# KiCad board KiBoxLite_H.kicad_pcb (continued)
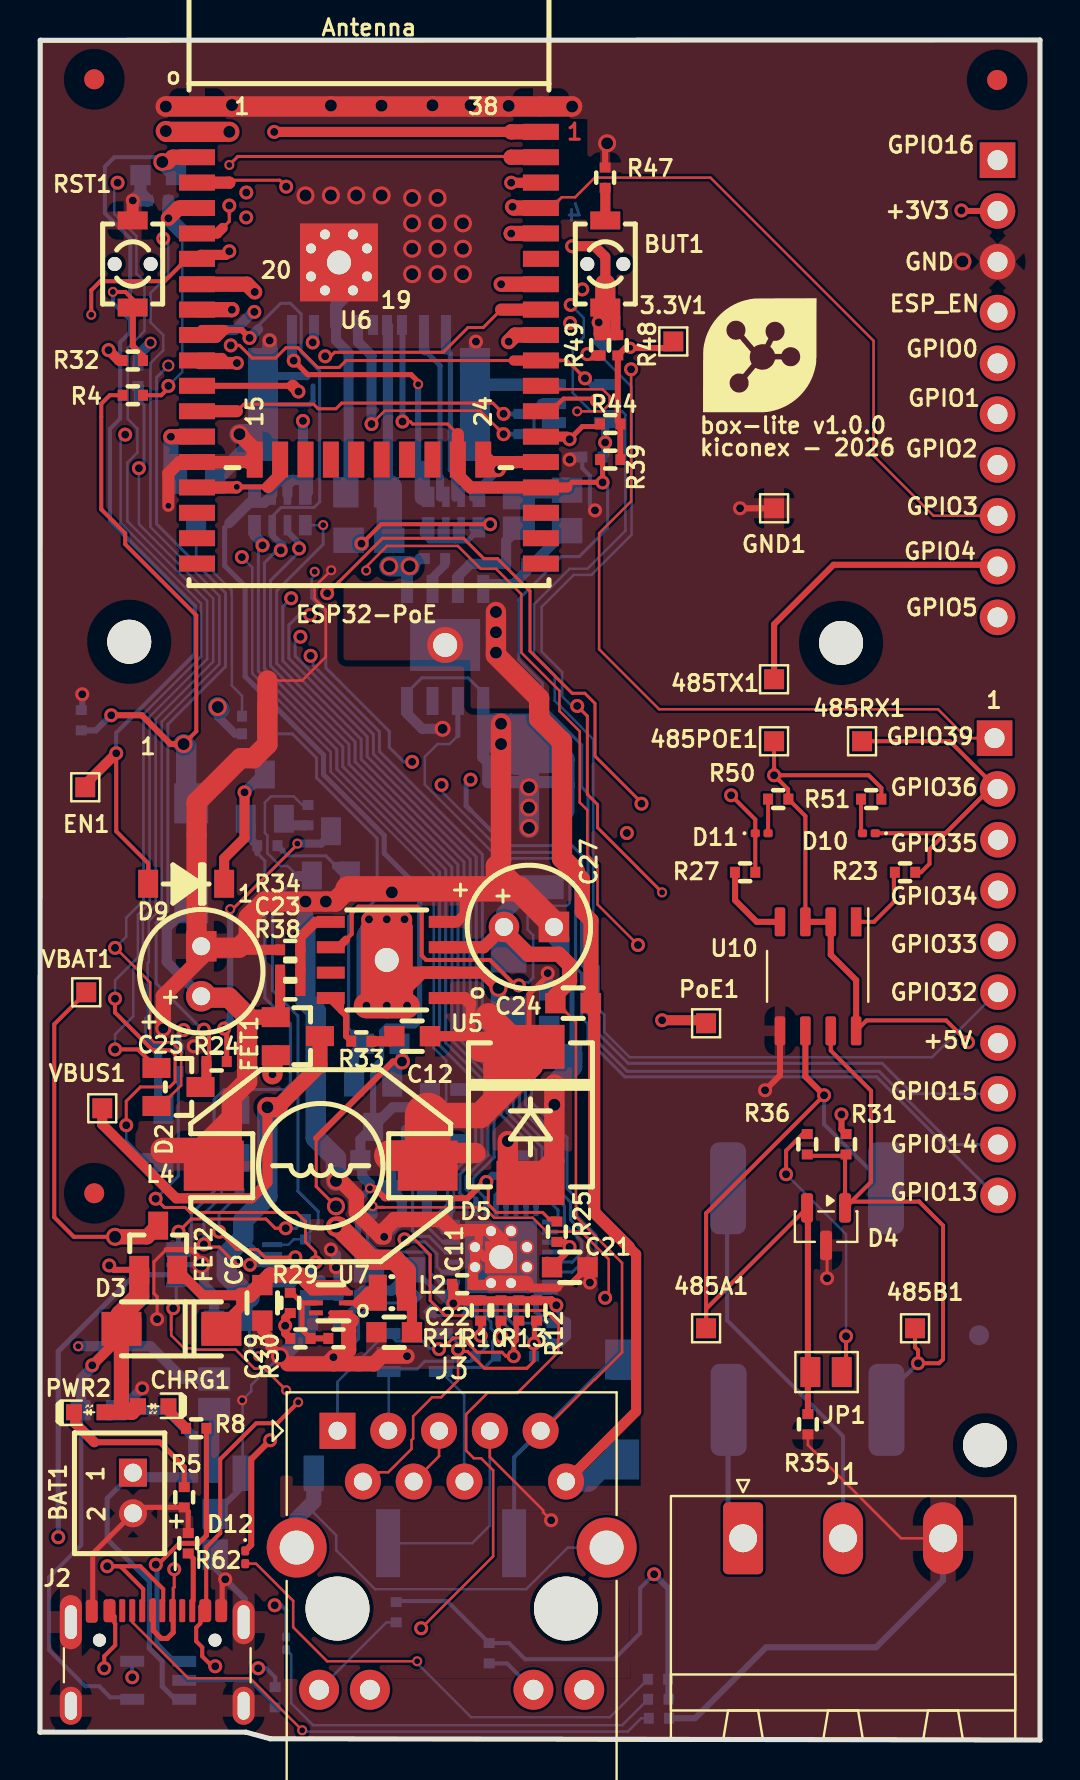
[diagram p0: board, top side]
## Footprints (pads in the part's own frame, mm; a bottom-side part is the same pattern mirrored in y, then rotated) (continued)
  round 0.7 hole 0.5: 33(-1.3,-0.5) 33(-1.3,0.5) 33(-0.5,-1.3) 33(-0.5,1.3) 33(0.5,-1.3) 33(0.5,1.3) 33(1.3,-0.5) 33(1.3,0.5)
  rect 1.6x1.6 hole 1.2: 33(0,0)
  rect 3.6x3.6 smd: 33(0,0)
R_0402_5MIL_DWS
  rect 0.5x0.55 smd: 1(-0.508,0) 2(0.508,0)
R_0603_5MIL_DWS
  rect 1.016x1.016 smd: 1(-0.889,0) 2(0.889,0)
R_0805_5MIL_DWS
  rect 1.27x1.524 smd: 1(-1.016,0) 2(1.016,0)
R_1206_5MIL_DWS
  rect 1.524x1.778 smd: 1(-1.397,0) 2(1.397,0)
R_2512_MM_DWS
  rect 1.454x3.654 smd: (-3.15,0) (3.15,0)
  rect 1.2x3.4 smd: 1(-3.15,0) 2(3.15,0)
R_MATRIX_4
  rect 0.635x1.016 smd: 1.1(-1.27,-0.762) 1.2(-1.27,0.762) 4.1(1.27,-0.762) 4.2(1.27,0.762)
  rect 0.381x1.016 smd: 2.1(-0.381,-0.762) 2.2(-0.381,0.762) 3.1(0.381,-0.762) 3.2(0.381,0.762)
RJ45_Abracon_ARJP11A-MA_Horizontal
  round 3.2 hole 3.2 unplated: (0,-8.89) (11.43,-8.89)
  rect 1.8x1.8 hole 0.9: 1(0,0)
  round 1.8 hole 0.9: 2(1.27,-2.54) 3(2.54,0) 4(3.81,-2.54) 5(5.08,0) 6(6.35,-2.54) 7(7.62,0) 9(10.16,0) 10(11.43,-2.54)
  round 2 hole 1: 11(-0.92,-12.95) 12(1.62,-12.95) 13(9.8,-12.95) 14(12.34,-12.95)
  round 3 hole 1.7: SH(-2.04,-5.84) SH(13.46,-5.84)
SJ
  rect 1.168x1.6 smd: 1(-0.762,0) 2(0.762,0)
SMA-KA
  rect 2x1.7 smd: 1(-2.5,0) 2(2.5,0)
  rect 1.746x1.192 smd: 1(-2.373,0) 2(2.373,0)
SOD-123_1C-2A_KA
  rect 1x1.4 smd: 1(-1.9,0) 2(1.9,0)
SolderJumper_IND_Data
  rect 1x1.5 smd: 1(-0.77,0) 2(0.8,0)
SOT23
  rect 1.4x1 smd: 1(1.107,-0.95) 2(1.107,0.953) 3(-1.102,-0.003)
SOT23-3
  rect 1.4x1 smd: 1(1.1,-0.95) 2(1.1,0.95) 3(-1.1,0)
SOT-23
  rrect 1.475x0.6 smd: 1(-0.938,0.95) 2(-0.938,-0.95) 3(0.938,0)
SOT-23-5
  rect 1.2x0.55 smd: 1(1.3,-0.95) 2(1.3,0) 3(1.3,0.95) 4(-1.3,0.95) 5(-1.3,-0.95)
SOT-563-6
  rect 0.75x0.23 smd: (-0.775,0.5) (-0.775,0) (-0.775,-0.5) (0.775,0.5) (0.775,0) (0.775,-0.5)
  rect 0.7x0.25 smd: 1(0.75,-0.5) 2(0.75,0) 3(0.75,0.5) 4(-0.75,0.5) 5(-0.75,0) 6(-0.75,-0.5)
TestPoint_Pad_1.0x1.0mm
  rect 1x1 smd: 1(0,0)
TS250
  rrect 1.8x4.6 smd: 1(-3.95,0) 2(3.95,0)
USB_C_Receptacle_GCT_USB4105-xx-A_16P_TopMnt_Horizontal
  round 0.65 hole 0.65 unplated: (-2.89,2.205) (2.89,2.205)
  rrect 0.6x1.15 smd: A1_B12(-3.274,3.651) A4_B9(-2.387,3.674) B1_A12(3.2,3.68) B4_A9(2.4,3.68)
  rrect 0.3x1.15 smd: A5(-1.25,3.68) A6(-0.25,3.68) A7(0.25,3.68) A8(1.25,3.68) B5(1.75,3.68) B6(0.75,3.68) B7(-0.75,3.68) B8(-1.75,3.68)
  oval 1.1x2.7 hole 0.6x1.7: SH1(-4.32,3.105)
  oval 1.1x1.9 hole 0.6x1.4: SH2(-4.32,-1.075) SH3(4.32,-1.075)
  oval 1.1x2.2 hole 0.6x1.7: SH4(4.32,3.105)
uSD(TFC-9P-1.xH(ATFFS150A01BR016))
  rect 1.76x1.46 smd: (-5.3,-1.55) (-5.3,2.9) (5.3,-1.55) (5.3,2.9)
  rect 0.5x1 smd: 1(3.85,-3.3) 2(2.75,-3.3) 3(1.65,-3.3) 4(0.9,-3.3) 5(-0.55,-3.3) 6(-1.65,-3.3) 7(-2.75,-3.3) 8(-3.85,-3.3) CD1(0.2,-3.3)
  rect 1.5x1.2 smd: CH1(-5.3,-1.55) CH1(-5.3,2.9) CH1(5.3,-1.55) CH1(5.3,2.9)
  rect 1.5x4.5 smd: CH1(-5.3,0.5) CH1(5.3,0.5)

## Nets
+3.3V: 3.3V1.1 C10.1 C22.1 C29.2 EXT1.2 FET3.2 L2.2 L5.1 R2.1 R16.2 R29.2 R32.1 R37.1 R39.1 R44.2 R48.1 R56.1 R57.1 R58.2 RM3.1.2 RM3.2.2 RM3.3.2 RM3.4.2 U6.2
+3.3VLAN: C9.1 C14.1 C28.2 FET3.3 L1.1 R25.2 RM1.3.1 RM2.1.1 RM2.2.1 RM2.3.1 RM2.4.1 U4.12 U8.5
+5V: 485POE1.1 C1.1 CHRG1.2 D1.1 D3.2 EXT2.7 FET1.2 FET2.1 PWR2.2 R1.1 R4.1 R31.1 R50.2 R51.2 U3.4 U10.2 U10.3 U10.8
+5VP: C23.1 C25.1 D1.2 FET1.1 L4.2 R38.1
/VBAT: BAT1.1 FET2.3 R17.1 U3.3 VBAT1.1
GND: BAT1.2 C1.2 C2.2 C3.2 C6.2 C7.2 C8.2 C9.2 C11.2 C13.2 C14.2 C15.2 C16.2 C17.2 C18.2 C19.2 C20.2 C21.1 C22.2 C25.2 C26.2 C27.2 C28.1 D4.3 D5.2 EXT1.3 GND1.1 J1.3 J2.A1_B12 J2.B1_A12 J2.SH1 J2.SH2 J2.SH3 J2.SH4 J3.7 L7.1 L7.2 MICRO_SD1.6 MICRO_SD1.CH1 R1.2 R5.2 R6.2 R7.2 R9.2 R22.2 R26.2 R30.2 R34.2 R35.2 R41.1 R42.2 R47.2 R62.2 R63.1 RM1.1.1 RM1.2.1 RST1.2 T1.2 TVS1.2 U1.3 U3.2 U4.24 U4.25 U4.33 U5.4 U6.1 U6.15 U6.38 U6.39 U7.1 U8.3 U9.5 U9.8 U10.5
VBUS: C7.1 FET1.3 J2.A4_B9 J2.B4_A9 R18.1 U1.7 VBUS1.1
/485_A: 485A1.1 D4.2 F2.1 JP1.1 R35.1 U10.6
/485_B: 485B1.1 D4.1 F1.1 R31.2 R36.1 U10.7
/485_RX: 485RX1.1 D10.1 EXT2.2 R23.1 U6.4
/485_TX: 485TX1.1 D11.1 EXT1.9 R27.1 U6.26
/D+: J2.A6 J2.B6 U1.1
/D-: J2.A7 J2.B7 U1.2
/D_Com: D2.3 R24.2 R49.2
/ESP_EN: C20.1 D9.2 EN1.1 EXT1.4 R32.2 RST1.1 U6.3
/GPI34\BUT1: BUT1.1 EXT2.4 R48.2 R49.1 U6.6
/GPI35: BAT_SENS_E1.1 EXT2.3 U6.7
/GPI39: EXT2.1 R4.2 R9.1 U6.5
/GPIO0: D2.2 EXT1.5 R44.1 U6.25 U8.2
/GPIO1\U0TXD: D7.1 EXT1.6 U6.35
/GPIO2\HS2_DATA0: D2.1 EXT1.7 R46.1 RM3.4.1 U6.24
/GPIO3\U0RXD: D6.2 EXT1.8 R16.1 R19.2 U6.34
/GPIO5\SPI_CS: EXT1.10 U6.29
/GPIO12\PHY_PWR: T1.1 U6.14
/GPIO13\I2C-SDA: EXT2.10 U6.16
/GPIO14\HS2_CLK: EXT2.9 R40.1 U6.13
/GPIO15\HS2_CMD: EXT2.8 MICRO_SD1.3 R39.2 U6.23
/GPIO16\I2C-SCL: EXT1.1 R45.2 U6.27
/GPIO17\EMAC_CLK_OUT_180: U4.5 U6.28 U8.4
/GPIO18\MDIO(RMII): RM2.4.2 U4.16 U6.30
/GPIO19\EMAC_TXD0(RMII): U4.22 U6.31
/GPIO21\EMAC_TX_EN(RMII): U4.21 U6.33
/GPIO22\EMAC_TXD1(RMII): U4.23 U6.36
/GPIO23\MDC(RMII): U4.17 U6.37
/GPIO25\EMAC_RXD0(RMII): RM2.2.2 U4.11 U6.10
/GPIO26\EMAC_RXD1(RMII): RM2.1.2 U4.10 U6.11
/GPIO27\EMAC_RX_CRS_DV: RM2.3.2 U4.15 U6.12
/GPIO32: EXT2.6 U6.8
/GPIO33: EXT2.5 R45.1 U6.9
/Led1: J3.12 U4.3
/Led2: J3.14 U4.2
/PoE_OUT: C12.1 D5.1 L4.1 PoE1.1 R43.2 U5.1
/RD+: J3.3 R11.2 TVS1.1 TVS3.1 U4.31
/RD-: J3.6 R10.2 TVS1.5 TVS3.2 U4.30
/TD+: J3.1 R13.2 TVS1.3 TVS2.2 U4.29
/TD-: J3.2 R12.2 TVS1.4 TVS2.1 U4.28
Spare1: C24.1 C27.1 D8.1 J3.9 R7.1 R28.2 R42.1 R52.1 U5.3 U9.1
Spare2: C24.2 D8.2 J3.10 R53.2 R54.1 U9.4 U9.9
Net-(BAT_SENS_E1-Pad2): BAT_SENS_E1.2 C19.1 R17.2 R22.1
Net-(BUT1-Pad2): BUT1.2 R47.1
Net-(C2-Pad1): C2.1 J3.SH
Net-(C10-Pad2): C10.2 FET3.1 R2.2 R3.1
Net-(C12-Pad2): C12.2 R33.2
Net-(C26-Pad1): C26.1 R43.1
Net-(CHRG1-K): CHRG1.1 R8.1
Net-(Class4_EN1-Pad1): Class4_EN1.1 R54.2
Net-(D3-K): C6.1 D3.1 FET2.2 U7.3 U7.4
Net-(D9-K): D9.1 Q2.3
Net-(D10-A): D10.2 R51.1
Net-(D11-A): D11.2 R50.1
Net-(D12-A): D12.2 R56.2
Net-(D12-K): D6.1 D12.1 U1.8
Net-(D13-A): D13.2 R37.2
Net-(D13-K): D7.2 D13.1 R18.2 U1.9
Net-(J1-Pin_1): F1.2 J1.1
Net-(J1-Pin_2): F2.2 J1.2
Net-(J2-CC1): J2.A5 R63.2
Net-(J2-CC2): J2.B5 R62.1
Net-(J3-Pad11): J3.11 R58.1
Net-(J3-Pad13): J3.13 R57.2
Net-(J3-RCT): C11.1 C13.1 C15.1 C16.1 J3.4 J3.5 L1.2 R10.1 R11.1 R12.1 R13.1 U4.1 U4.27
Net-(JP1-B): JP1.2 R36.2
Net-(MICRO_SD1-CD/DAT3/CS): MICRO_SD1.2 RM3.2.1
Net-(MICRO_SD1-CLK/SCLK): MICRO_SD1.5 R40.2
Net-(MICRO_SD1-DAT0/DO): MICRO_SD1.7 R46.2
Net-(MICRO_SD1-DAT1/RES): MICRO_SD1.8 RM3.1.1
Net-(MICRO_SD1-DAT2/RES): MICRO_SD1.1 RM3.3.1
Net-(MICRO_SD1-VDD): C3.1 L5.2 MICRO_SD1.4
Net-(PWR2-K): PWR2.1 R5.1
Net-(Q2-B): Q2.1 R20.2
Net-(Q2-E): Q2.2 R21.1 U1.4
Net-(Q3-B): Q3.1 R21.2
Net-(Q3-C): Q3.3 R24.1
Net-(Q3-E): Q3.2 R20.1 R55.1 U1.6
Net-(R28-Pad1): R28.1 U5.2 U5.9
Net-(T1-C): R3.2 T1.3
Net-(U1-CTS#): R55.2 U1.5
Net-(U1-V3): C8.1 R19.1 U1.10
Net-(U3-CHRGb): R8.2 U3.1
Net-(U3-PROG): R6.1 U3.5
Net-(U4-NRST): C21.2 R25.1 U4.19
Net-(U4-RBIAS): R26.1 U4.32
Net-(U4-RXCLK/PHYAD1): RM1.1.2 U4.7
Net-(U4-RXD2/RMIISEL): RM1.3.2 U4.9
Net-(U4-RXD3/PHYAD2): RM1.2.2 U4.8
Net-(U4-RXER/RXD4/PHYAD0): R41.2 U4.13
Net-(U4-VDDCR): C17.1 C18.1 U4.6
Net-(U5-BS): R33.1 U5.8
Net-(U5-EN): U5.6 U9.6
Net-(U5-FB): C23.2 R34.1 R38.2 U5.5
Net-(U7-FB): C29.1 R29.1 R30.1 U7.5
Net-(U7-SW): L2.1 U7.2
Net-(U9-CLS): Class4_EN1.2 R53.1 U9.3
Net-(U9-DEN): R52.2 U9.2
Net-(U10-DI): R27.2 U10.4
Net-(U10-RO): R23.2 U10.1

Pads without a net: FID1 Fid1; FID2 Fid1; FID3 Fid1; FID4 Fid1; FID5 Fid1; FID6 Fid1; J2 A8 B8; MICRO_SD1 CD1; RM1 4.1 4.2; U4 4 14 18 20 26; U5 7; U6 17 18 19 20 21 22 32; U7 6; U8 1; U9 7

## Via types
v1: diameter 0.7, hole 0.4, Top to Bottom, 150 vias
v2: diameter 0.6, hole 0.4, Top to Bottom, 2 vias
v3: diameter 0.9, hole 0.6, Top to Bottom, 55 vias
v4: diameter 0.8, hole 0.5, Top to Bottom, 3 vias
v5: diameter 0.61, hole 0.3, Top to Bottom, 1 via
v6: diameter 0.5, hole 0.3, Top to Bottom, 23 vias

## Routing (per net, layer and track width the routed paths; a pad name or vN(x,y) marks a point on that pad's centre or on a via; arc(x,y) is an arc through that point)
+3.3V: length 213.6
  Top w0.152: v3(14.8,26.68) 13.81,27.67 13.81,30.09
  Top w0.203: v1(16.08,59.82) 16.09,59.82 17.06,60.79 v1(22.51,60.79)
  Top w0.305: v5(29.52,69.61) 29.54,69.61 ; v5(29.52,69.61) 29.54,69.6 31.62,69.6 31.67,69.65 3.3V1.1 31.83,69.77 31.83,69.66 31.84,69.65 ; v5(29.52,69.61) 29.28,69.61 R48.1 28.9,65.93 R44.2 R39.1 ; v4(18.1,33.92) 17.65,33.92 13.81,30.09 ; EXT1.2 46.11,76.45 v1(46.08,76.48)
  Top w0.406: R29.2 12.26,21.09 v1(12.26,20.71) 12.26,20.33 C29.2
  Top w0.508: L2.2 18.6,22.06 18.6,20.46 ; R32.1 3.95,68.97 v1(3.43,69.49)
  Top w1.016: v3(14.8,25.67) 14.93,25.67 16.58,24.02 17.72,24.02 18.3,23.44 L2.2 ; v3(6.29,80.45) 6.33,80.41 v3(9.47,80.41)
  In1.Cu w0.127: v1(7.18,35.5) 7.79,36.11 8.96,36.11 10.5,37.65 10.5,43.46 8.89,45.07 v3(8.89,51.65) ; 7.78,36.09 15.93,36.09 v4(18.1,33.92)
  In1.Cu w0.152: v1(12.26,20.71) 12.19,20.78 12.19,24.38 13.48,25.67
  In1.Cu w0.203: v3(9.47,80.41) 10.11,81.05 21.2,81.05 28.24,74.01 28.24,73.46 29.51,72.19 29.51,69.64 29.54,69.61 ; v3(6.29,80.45) 4.7,80.45 2.61,78.36 2.61,73.29 3.14,72.76 3.14,69.78 v1(3.43,69.49) 3.31,69.38 3.31,63.56 4.61,62.26 7.89,62.26 8.74,61.41 10.66,61.41 11.51,62.26 21.04,62.26 v1(22.51,60.79) ; v3(14.8,25.67) 15.26,26.12 23.84,26.12 26.54,23.43 27.73,23.43 30.71,20.45 v1(30.71,8.29)
  In1.Cu w0.508: 13.48,25.67 v3(14.8,25.67)
  In2.Cu w0.305: v3(14.8,25.67) v3(14.8,26.68) ; 47.82,76.52 EXT1.2
  Bottom w0.203: v1(30.71,8.29) 30.01,7.59 30.01,5.34 28.71,4.04 24.26,4.04 23.46,4.84 R57.1 20.36,6.94 17.86,6.94 R58.2
  Bottom w0.254: 20.01,59.96 19.48,59.96 19.12,60.31 19.12,60.59 ; 20.01,59.96 20.01,60.59 ; 20.01,59.96 20.77,59.96 ; 20.77,59.96 21.38,59.96 21.66,60.24 21.66,60.59 ; 20.77,59.96 20.77,60.59
  Bottom w0.305: v1(30.71,8.29) 31.43,7.57 31.43,2.32 31.56,2.19 31.56,2.04 ; v1(7.18,35.5) 6.93,35.24 R16.2
  Bottom w0.406: v1(22.51,60.79) 21.86,60.79 21.66,60.59 ; R2.1 9.77,50.3 8.89,51.18 v3(8.89,51.65)
  Bottom w0.508: FET3.2 17.62,33.43 v4(18.1,33.92) ; 14.93,60.34 15.09,60.34 L5.1
  Bottom w0.61: v4(18.1,33.92) 18.1,34.68 C10.1
  Bottom w0.762: 15.62,59.99 L5.1 15.63,59.79 16.05,59.79 v1(16.08,59.82) 16.07,59.82 15.79,59.82 15.62,59.99
  Bottom w1.016: v3(8.89,51.65) 8.98,51.56
+3.3VLAN: length 90.3
  Top w0.152: v1(22.32,27.9) 22.42,27.8 22.42,26.78 22.83,26.38 25.14,26.38 25.47,26.05
  Top w0.254: R25.2 25.72,26.05 25.47,26.05
  Top w0.305: 22.19,27.9 21.38,27.09 17.25,27.09 16.75,27.59 v6(16.5,27.59)
  Top w0.406: v1(22.32,27.9) 22.19,27.9
  In1.Cu w0.127: v1(13.15,65.95) 13.18,65.99 14.86,65.99 15.95,67.07 23.69,67.07 25.01,65.75 27.3,65.75 28.17,64.87 v1(28.26,64.87)
  Bottom w0.152: 16.5,27.57 v6(16.5,27.59)
  Bottom w0.254: U4.12 22.81,27.22 23.31,27.72 C14.1 ; 16.66,33.62 17.09,34.05 17.09,35.45 17.34,35.7 18.74,35.7 18.99,35.95 18.99,42.56 17.22,44.34 17.22,45.23 14.18,48.27 14.18,49.25 10.26,53.17 10.26,57.69 9.24,58.71 9.24,60.62 9.47,60.85
  Bottom w0.305: 16.5,27.57 15.91,26.99 15.91,24.17 16.58,23.51 ; 16.66,33.62 FET3.3
  Bottom w0.406: v1(22.32,27.9) 22.63,28.21 C14.1 ; C28.2 28.26,64.27 v1(28.26,64.87) 28.26,65.83 U8.5 ; 12.14,62.88 12.01,63
  Bottom w0.508: 12.64,63 12.01,63 11.62,62.61 RM2.2.1 11.21,61.86 10.48,61.86 9.47,60.85 ; 12.64,63 13.41,63 ; 12.64,63 12.38,62.74 RM2.3.1 ; v1(13.15,65.95) 13.15,63.26 13.41,63 ; RM1.3.1 17.64,31.64 FET3.3 ; FET3.3 16.66,31.08 ; FET3.3 16.02,30.02 C9.1 16.11,28.9 16.11,28.19 16.5,27.8 v6(16.5,27.59) ; RM2.4.1 13.41,62.4 13.41,63
+5V: length 96.4
  Top w0.203: R4.1 3.49,67.24 3.06,66.81 3.06,61.54 4.26,60.34 4.26,59.79 7.82,56.23 7.82,50.43 v3(7.18,49.8) ; v1(36.71,48.24) 37.41,47.54 37.41,47.06 38.28,46.2 U10.3 ; v1(36.71,48.24) 485POE1.1 ; v1(36.71,48.24) 41.44,48.24 42.08,47.6 R51.2 ; v1(46.41,34.89) 45.32,35.98 41.34,35.98 U10.8
  Top w0.305: 4.96,23.51 3.68,23.51 v1(3.46,23.73) ; U10.3 U10.2 39.55,39.26 40.82,37.99 U10.8 ; v3(7.18,49.8) 6.53,49.8 5.09,51.24 v1(3.56,51.24) ; v1(40.08,31.28) 40.08,30.52 R31.1
  Top w0.508: v1(2.61,18.74) 4.2,20.32 D3.2
  Top w0.762: PWR2.2 4.11,16.39 ; 4.11,16.39 4.6,16.39 CHRG1.2 ; 4.11,16.39 4.11,16.74 4.07,16.78 D3.2
  Top w1.016: D3.2 4.05,20.58 4.05,21.26 4.96,22.18 4.96,23.51 ; FET1.2 11.63,34.08 v1(11.63,33.29)
  In1.Cu w0.305: v1(46.41,34.89) 47.31,34.89 47.35,34.85 EXT2.7
  Bottom w0.203: C1.1 2.06,16.45 2.06,9.75 0.46,8.14 0.46,4.5 2.26,2.69 2.96,2.69 3.16,2.49 3.16,2.49 3.51,2.13 4.52,2.13 U3.4
  Bottom w0.305: v1(3.56,51.24) 3.55,51.24 2.79,50.48 R1.1
  Bottom w0.508: v1(2.61,18.74) 2.61,18.64 2.06,18.09 2.06,16.53 C1.1
  Bottom w1.016: D1.1 7.31,47.09 7.31,49.67 v3(7.18,49.8)
+5VP: length 26.8
  Top w0.508: C23.1 R38.1 12.01,36.36 FET1.1
  Top w0.762: 10.36,36.21 10.42,36.14 FET1.1
  Top w1.016: 9.6,31 9.47,31 7.94,29.48 7.94,29.46 8.69,28.71 9.6,29.62 9.6,31 ; 9.6,31 9.6,32.14 10.36,32.91 10.36,36.21 9.45,37.12 8.07,37.12
  Top w1.27: 8.69,28.71 7.93,29.48 6.17,29.48
  Bottom w0.508: C25.1 6.34,38.91 6.34,40.61 D1.2
/VBAT: length 52.3
  Top w0.203: VBAT1.1 0.71,35.79 0.71,26.14 1.69,25.16 v3(3.75,25.16)
  Top w0.762: v3(3.75,25.16) 5.35,25.16 FET2.3
  In2.Cu w0.203: 6.71,19.64 8.2,21.12
  In2.Cu w0.254: BAT1.1 4.83,13.19 6.48,13.19 6.71,13.43 6.71,19.64 ; 8.2,21.12 8.2,22.11
  In2.Cu w0.305: 4.91,25.59 8.2,22.3 8.2,22.11
  In2.Cu w0.508: 4.91,25.59 4.18,25.59 v3(3.75,25.16)
  Bottom w0.254: BAT1.1 3.36,12.08 3.36,10.04 5.47,7.93 5.47,4.58 6.11,3.94 6.11,2.69 6.76,2.04 U3.3
  Bottom w0.508: R17.1 4.88,13.14 BAT1.1
GND: length 467.8
  Top w0.127: v1(25.56,10.99) 25.16,11.39 25.16,11.49 22.5,14.15 J3.7 ; J1.3 43.06,10.09 38.4,14.75 R35.2 ; v6(14.56,58.49) 13.73,57.66 13.73,57.08 14.29,56.52 14.29,54.15 13.11,52.97 11.37,52.97
  Top w0.152: v3(17.6,42.38) 17.22,42.76 ; 10.68,49.09 10.81,49.09 ; 6.31,24.52 5.7,23.91 5.7,22.32 5.86,22.16 v1(5.86,21.04) ; 10.1,16.97 v6(10.11,16.99) ; D4.3 39.36,24.68 v1(39.36,23.09)
  Top w0.254: R62.2 7.41,11.43 R5.2 4.94,11.63 BAT1.2 2.64,9.32 2.64,6.94 ; 6.31,24.52 7.55,24.52 8.07,24 v3(8.07,23.76) ; 9.11,6.97 9.11,7.89 v1(9.26,8.04) ; 14.55,21.35 14.56,21.36 U7.1 15.04,21.09
  Top w0.305: 25.9,22.62 26.13,22.85 26.6,22.85 C21.1 ; 14.55,21.09 15.04,21.09 ; R47.2 28.26,79.74 ; v1(36.26,32.49) 37.01,33.23 U10.5 ; v1(35.01,61.59) GND1.1
  Top w0.406: 24.3,22.84 24.36,22.84 24.58,22.62 25.9,22.62 ; 27.5,23.25 27.15,23.61 27.15,23.63 27.38,23.63 ; 22.26,24.14 U4.33 21.94,24.82 21.94,25.18
  Top w0.508: R34.2 10.06,39.51 9.96,39.62 ; 22.26,24.14 U4.33 ; 14.42,19.06 14.68,18.81 v1(14.68,19.14) ; U4.33 U4.33 21.66,23.55 21.66,22.75 22.46,22.75 U4.33 ; 11.37,51.78 11.37,52.97 11.25,53.1 ; 27.5,23.25 v1(27.5,22.87) ; D5.2 24.43,27.85 23.4,28.88 ; 22.5,25.5 U4.33 22.52,25.44 ; 21.15,42.56 21.23,42.48 21.23,41.27 20.87,40.91 U5.4 ; v3(12.01,19.19) 12.39,18.81 11.51,19.68 11.51,20.08 11.12,20.47 C6.2 ; 20.98,25.39 21.08,25.5
  Top w0.61: v6(6.42,61.71) 6.42,63.34 6.98,63.9 10.48,63.9 ; 21.08,25.5 22.5,25.5 ; RST1.2 4.63,76.97 v1(4.64,76.97)
  Top w0.762: v3(9.98,65.29) 10.75,64.51 10.75,64.17 10.48,63.9 ; U4.33 U4.33 24.3,22.84 ; 20.98,25.39 20.74,25.39 20.11,26.02 17.72,26.02 17.22,25.51 v1(17.22,25.16) 17.04,25.16 15.82,26.38 15.82,27.19 15.06,27.95 v3(14.8,27.95) ; 8.07,39.62 8.07,39.11 6.17,37.2 v4(6.17,35.57) ; v1(14.68,19.14) 15.07,19.14 15.44,19.5 R30.2 15.44,20.97 15.56,20.97 ; 12.39,18.81 16.71,18.81 17.09,19.19 v1(18.36,19.19) ; U4.33 23.06,24.94 U4.33
  Top w1.016: 22.04,81.67 21.53,81.67 ; 22.04,81.67 9.6,81.67 9.6,81.68 6.3,81.68 v3(6.29,81.67) ; 22.04,81.67 23.44,81.67 23.44,81.68 U6.38 26.61,81.68 v3(26.61,81.67) ; 11.37,51.32 11.37,52.97 ; 22.8,43.7 23.06,43.95 v3(23.06,50.81) ; 22.8,43.7 22.8,42.99 22.38,42.56 21.91,42.56 ; 22.8,43.7 23.95,42.56 ; 15.41,42.56 14.77,41.92 v3(14.29,41.92) v3(13.28,41.92) 11.24,41.92 10.44,41.12 10.44,40.1 9.96,39.62 8.07,39.62 7.83,39.86 7.83,46.89 10.03,49.09 10.68,49.09 11.37,49.78 11.37,51.78 ; 24.23,27.95 24.45,27.73 25.72,29 v3(25.72,31.76) v3(25.72,32.78) ; v3(23.4,29.95) 23.4,28.88
  Top w1.27: C27.2 25.7,40.8 23.95,42.56 15.41,42.56
  In1.Cu w0.152: 24.71,61.99 26.49,63.77 v1(26.49,64.02) ; v3(14.8,27.95) 13.79,27.95 v4(6.17,35.57)
  In1.Cu w0.254: BAT1.2 3.56,11.34 2.61,12.29 2.61,13.24 2.66,13.29 2.66,15.14 v1(5.11,17.59)
  In1.Cu w0.508: v1(5.11,17.59) 5.66,18.14 5.66,20.85 v1(5.86,21.04)
  In1.Cu w1.016: 27.25,40.65 C27.2 25.7,39.4 ; v3(23.06,50.81) 24.07,50.81 24.71,51.45 24.71,61.99
  In1.Cu w1.27: C27.2 25.7,42.54
  In2.Cu w0.11: v1(18.36,19.19) 18.77,19.19 J3.7 ; 46.15,73.91 v3(46.13,73.93)
  In2.Cu w0.127: v1(4.64,76.97) 4.64,80.67 5.65,81.67 v3(6.29,81.67)
  In2.Cu w0.203: v1(25.56,10.99) 26.56,10.99 27.46,11.89 29.11,11.89 33.01,7.99 43.06,7.99 J1.3
  In2.Cu w0.305: EXT1.3 46.15,73.91
  In2.Cu w0.762: 20.39,50.81 v3(23.06,50.81) v3(23.06,49.8) 22.68,50.18 20.52,50.18 v4(20.14,50.56) 20.39,50.81
  Bottom w0.127: v3(12.01,19.19) 10.56,17.74 10.56,17.44 v6(10.11,16.99) 10.14,16.96 C2.2 ; R7.2 21.61,9.84 22.5,10.72 J3.7
  Bottom w0.152: 18.27,22.15 17.98,21.86 16.64,21.86 15.92,21.13 15.92,20.05 15.01,19.14 v1(14.68,19.14) ; 18.78,22.19 18.7,22.11 ; U9.5 22.17,52.35 21.41,53.11 19.09,53.11 18.36,52.37 U9.8 ; v6(10.11,16.99) 10.11,17.04
  Bottom w0.203: R6.2 11.76,1.74 10.51,2.99 U3.2 ; C28.1 27.12,63.59 27.5,63.21 27.5,61.73 v1(27.76,61.48)
  Bottom w0.254: 26.36,39 26.36,38.37 26.61,38.11 26.61,34.18 ; 26.36,39 26.36,39.13 25.98,39.51 ; 26.36,39 26.36,40.02 26.23,40.14 ; 24.81,22.39 U4.24 25.12,22.39 24.81,22.08 U4.25 ; 24.81,22.39 U4.33 ; 24.81,22.39 U4.25 ; v1(9.26,8.04) 8.76,8.54 L7.1 ; 25.72,20.84 25.39,20.84 24.81,21.43 U4.25 ; RM1.2.1 18.74,30.87 18.36,30.49 ; v3(8.07,23.76) U1.3 ; 13.66,67.7 13.66,66.94 13.48,66.76 11.34,66.76 MICRO_SD1.CH1 ; 10.14,6.49 10.23,6.39
  Bottom w0.305: J1.3 45.16,7.99 41.81,4.64 36.31,4.64 32.76,1.09 31.56,1.09 31.56,1.11 ; L7.2 10.14,12.67 C2.2 ; 18.27,22.15 R26.2 ; v1(9.26,8.04) 10.23,7.07 10.23,6.39 ; R1.2 2.11,51.54 v1(2.11,52.29) ; RM1.1.1 18.36,29.98
  Bottom w0.406: MICRO_SD1.CH1 11.15,68.19 13.33,68.19
  Bottom w0.508: v3(23.4,29.95) 23.4,29.39 23.57,29.22 23.69,29.22 ; C9.2 17.57,28.75 C17.2 18.1,26.97 C18.2 v1(17.22,25.16) ; 14.04,22.24 14.04,23 ; 14.04,22.24 13.28,22.24 13.28,20.97 13.41,20.84 ; 14.04,22.24 C16.2 14.93,23.51 v1(14.8,23.63) 14.8,24.27 v1(14.55,24.52) ; C27.2 25.72,40.65 26.23,40.14 ; v1(5.11,17.59) 4.35,16.83 4.29,16.83 3.95,16.49 C1.2 6.35,16.49 C19.2 R22.2 ; 14.8,70.75 14.8,69.99 15.44,69.35 15.44,62.62 ; v3(8.07,23.76) 8.2,23.63 8.2,22.75 8.71,22.24 C7.2 ; 22.17,51.07 23.57,51.07 23.82,50.81 ; v1(26.49,64.02) 26.61,64.15 C28.1 ; 22.77,50.78 22.8,50.81 ; 17.85,28.71 18.1,28.97 ; C7.2 8.45,21.22 ; C7.2 8.96,21.22 ; MICRO_SD1.CH1 21.75,64.56 21.79,64.53 ; 23.69,29.22 C14.2 ; 23.69,29.22 R41.1 ; v4(20.14,50.56) 19.12,50.56 18.36,51.32 U9.8 ; v1(18.36,19.19) 18.17,19.38 TVS1.2
  Bottom w0.61: 21.79,66.94 21.79,67.32 22.23,67.76 U8.3 ; U6.39 15.34,72.48 15.45,72.37 14.8,71.72 14.8,70.75 ; 18.17,29.03 18.36,29.22 18.36,30.49 ; 26.11,39.64 25.7,40.04 C27.2 ; MICRO_SD1.CH1 21.75,69.87 v1(21.8,69.92) ; 11.15,64.56 MICRO_SD1.CH1 11.49,67.28 11.49,69.48 ; U9.5 22.17,49.16 22.42,48.91 22.42,47.89 26.11,47.89 26.23,47.76 ; C20.2 5.02,77.36 ; 5.02,77.36 v1(4.64,76.97) R9.2 5.02,77.36
  Bottom w0.762: 11.49,69.48 v1(11.49,69.98) ; 13.28,40.91 v3(13.28,41.92) ; v3(25.72,32.78) v3(25.72,31.76) ; 11.15,64.55 10.3,64.55 T1.2 ; v3(12.01,19.19) 12.14,19.19 13.41,20.46 13.41,20.84
  Bottom w1.016: 22.8,49.8 23.69,48.91 ; 22.8,49.8 23.82,48.78 24.45,48.78 ; 22.8,49.8 22.8,50.81 ; 13.28,40.91 13.28,36.97 13.79,36.46 13.79,30.11 14.8,29.1 v3(14.8,27.95) ; 24.45,48.78 23.69,48.78 ; 24.45,48.78 v3(24.45,47.64) v3(24.45,46.62) v3(24.45,45.61) ; 22.8,50.81 24.45,50.81 26.23,49.03 26.23,46.49 ; 22.8,50.81 23.18,50.81 24.71,49.29 24.71,48.91 ; 11.15,64.55 10.41,65.29 v3(9.98,65.29) ; v3(25.72,32.78) 26.61,33.67 C26.2
  vias: v1(7.69,34.68) v3(9.6,81.75) v3(13.28,77.23) v3(14.55,81.72) v3(14.55,77.23) v3(15.82,77.23) v3(17.08,81.72) v3(17.09,77.23) v3(18.61,77.1) v3(18.61,75.83) v3(18.61,74.56) v3(18.61,73.29) v3(19.63,81.73) v3(19.88,77.1) v3(19.88,75.83) v3(19.88,74.56) v3(19.88,73.29) v3(21.15,75.83) v3(21.15,74.56) v3(21.15,73.29) v3(21.53,81.73) v3(23.44,81.71) v3(28.36,79.84)
VBUS: length 67.2
  Top w0.203: v1(8.76,3.69) 8.66,3.79 8.51,3.79 8.11,4.19 8.11,4.64 7.81,4.94 7.81,5.62 8.02,5.83 8.02,6.67 8.31,6.97 8.31,9.64 9.01,10.34 9.01,14.04 10.81,15.84 11.86,15.84 v6(12.91,16.89) ; 3.53,6.96 3.53,6.39 3.73,6.18 3.73,5.84 3.76,5.81 3.76,4.74 3.21,4.19 v1(3.21,3.59)
  Top w0.508: v3(11.37,31.64) 11.37,27.89 10.57,27.08 6.81,27.08 3.11,30.78 VBUS1.1
  Top w0.762: 11.88,31.64 14,33.75 FET1.3
  Top w1.016: v3(11.37,31.64) 11.88,31.64
  In1.Cu w0.152: v6(10.91,19.19) 12.13,17.97 12.51,17.97 12.91,17.57 v6(12.91,16.89)
  In2.Cu w0.203: v1(3.21,3.59) 3.21,2.74 4.11,1.84 7.56,1.84 8.76,3.04 v1(8.76,3.69)
  Bottom w0.152: v6(10.91,19.19) 10.48,19.62 10.48,20.97
  Bottom w0.254: U1.7 11,24.26 10.17,25.1
  Bottom w0.305: 10.48,22.11 10.48,20.97 ; R18.1 11.25,27.32 11.37,27.19
  Bottom w1.016: 10.48,22.11 9.34,23.25 9.34,24.27 10.17,25.1 10.17,25.98 11.37,27.19 v3(11.37,31.64)
/485_A: length 41.4
  Top w0.203: v1(39.21,32.24) 33.31,26.34 485A1.1 33.31,21.55 D4.2
  Top w0.305: 38.4,17.7 R35.1 ; v1(39.21,32.24) 38.28,33.17 U10.6 ; D4.2 38.4,26.56 38.4,18.4
  Bottom w0.203: 42.41,27.59 39.21,30.79 v1(39.21,32.24)
/485_B: length 34.6
  Top w0.152: 40.26,29.23 R31.2 40.24,29.21
  Top w0.203: 485B1.1 43.76,19.64 43.91,19.49 v1(43.91,18.84) 44.96,18.84 45.16,19.04 45.16,25.72 43.96,26.92 43.98,26.92 40.58,26.92 D4.1 ; D4.1 41.56,27.9 41.56,32.46 39.55,34.47 U10.7 ; D4.1 40.26,29.23 ; 40.24,29.21 40.24,29.21 38.38,29.21 38.37,29.21
  Bottom w0.203: v1(43.91,18.84) 42.31,17.24 42.31,15.14
/485_RX: length 95.6
  Top w0.152: v1(14.36,57.34) 14.95,57.92 14.97,57.92 17.12,60.08 21.18,60.08 22.2,59.07 22.88,59.07 24.5,57.44 24.5,54.45 26.61,52.34 27.25,52.34 27.76,51.83 27.76,49.19 30.07,46.88 30.07,46.83 v1(30.08,46.81) ; 9.47,77.86 9.6,77.99 11.99,77.99 v1(12.31,77.67)
  Top w0.203: 485RX1.1 45.5,49.94 EXT2.2 47.5,47.55 ; D10.1 45.29,45.34 47.5,47.55 ; R23.1 44.06,43.39 44.49,43.81 44.49,44.54 47.5,47.55 ; 43.82,43.49 43.82,43.52
  Top w0.61: U6.4 9.46,77.87 9.47,77.86
  In1.Cu w0.203: EXT2.2 38.58,47.55 37.16,46.14 30.76,46.14 v1(30.08,46.81)
  In2.Cu w0.152: v1(14.36,57.34) 14.33,57.34 ; 12.31,75.07 8.96,71.72 8.96,59.43 10.4,57.99
  In2.Cu w0.254: 13.16,57.99 10.4,57.99
  In2.Cu w0.508: 12.31,75.07 v1(12.31,77.67) ; 13.16,57.99 13.46,57.69 13.98,57.69 14.33,57.34
/485_TX: length 68.6
  Top w0.203: R27.1 D11.1 35.77,46.03 v1(34.56,47.24) ; U6.26 25.55,66.44 26.18,67.07 27.76,67.07 v1(27.85,66.98)
  Top w0.305: EXT1.9 47.8,58.76 39.69,58.76 36.71,55.78 485TX1.1
  In1.Cu w0.203: v1(34.56,47.24) 34.56,54.14 39.34,58.91 47.65,58.91 EXT1.9
  In2.Cu w0.203: EXT1.9 44.78,58.67 37.81,65.64 30.56,65.64 29.21,66.99 27.86,66.99 v1(27.85,66.98)
  Bottom w0.203: v1(34.56,47.24) 34.71,47.39
/D+: length 26.8
  Top w0.127: v6(12.31,17.49) 11.23,18.57 10.73,18.57 9.78,19.52 7.78,19.52 7.71,19.59 7.21,19.59 6.56,20.23 6.56,20.49
  Top w0.152: v1(6.71,8.54) 6.71,7.64 6.66,7.59 6.66,6.97 ; v1(6.66,21.59) 6.56,21.49 6.56,20.49
  Top w0.254: 6.66,6.97 6.66,5.38 6.36,5.08 6.06,5.08 5.66,5.48 5.66,6.97
  In2.Cu w0.152: v6(12.31,17.49) 12.31,17.31 6.71,11.71 v1(6.71,8.54)
  Bottom w0.152: v1(6.66,21.59) 6.81,21.74 U1.1
/D-: length 26.5
  Top w0.203: 6.16,6.97 6.16,7.54 5.02,8.69 v1(3.36,8.69) 4.02,8.69 5.16,7.54 5.16,6.97
  In2.Cu w0.152: v1(0.91,10.14) 2.36,8.69 v1(3.36,8.69)
  Bottom w0.254: v1(0.91,10.14) 0.91,19.44 4.74,23.26 U1.2
/D_Com: length 63.2
  Top w0.203: R24.2 8.45,34.05 8.45,35.27 v1(8.2,35.52)
  Top w0.508: v1(27.38,69.29) 27.44,69.23 R49.2 27.88,69.23 ; 8.07,32.65 8.45,32.65 8.45,32.66 ; R24.2 8.33,32.95 8.03,32.65
  In1.Cu w0.152: v2(6.42,68.72) 8.68,68.72 9.14,68.26 12.26,68.26 12.39,68.39 17.72,68.39 18.63,69.29 v1(27.38,69.29)
  Bottom w0.152: v2(6.42,68.72) 5.83,68.13 5.83,60.8 9.27,57.36 9.27,53.67 6.39,50.79 6.39,41.47 5.81,40.88 5.81,37.83 8.12,35.52 v1(8.2,35.52)
/ESP_EN: length 109.1
  Top w0.152: 6.56,79.14 U6.3
  Top w0.203: RST1.1 4.63,72.04 4.27,72.4 v6(3.64,72.4) ; D9.2 5.41,43.84 3.81,45.44 v1(3.81,49.34)
  Top w0.305: R32.2 5.15,69.19 4.64,69.7 4.64,71.61 RST1.1
  Top w0.508: EN1.1 2.26,47.79 v1(3.81,49.34) ; 4.52,71.74 RST1.1
  Top w0.762: v3(6.12,78.9) 6.4,78.9 6.63,79.14 U6.3
  In2.Cu w0.203: EXT1.4 43.48,71.37 39.01,75.84 39.01,79.79 35.41,83.39 9.29,83.39 8.21,82.31 8.21,81.05 6.56,79.39 6.56,79.34 v3(6.12,78.9)
  Bottom w0.203: 4.52,70.4 4.01,69.89 4.01,66.06 3.5,65.56 3.5,60.95 7.75,56.7 7.75,54.3 3.81,50.36 v1(3.81,49.34) ; 4.52,70.4 4.52,70.98 3.66,71.84 3.66,72.38 v6(3.64,72.4) ; 4.52,70.4 4.52,75.07 3.25,76.34 3.25,78.67 3.71,79.14 5.88,79.14 v3(6.12,78.9)
  Bottom w0.762: v3(6.12,78.9) 6.53,78.49 6.56,78.49 C20.1
/GPI34\BUT1: length 84.1
  Top w0.152: 9.14,75.6 9.47,75.93 v1(9.47,76.72) ; v1(26.87,51.7) 27.38,51.19 27.38,47.28 27.88,46.77 27.88,45.62 29.88,43.62 29.88,43.61 v6(31.11,42.38)
  Top w0.508: 28.26,71.64 27.94,71.32 v1(27.94,70.88) 27.94,70.31 R49.1 28.39,70.24 ; 9.14,75.6 8.86,75.33 7.95,75.33 ; 28.39,70.24 28.27,70.36 BUT1.1 28.77,71.12 28.77,70.24 ; 28.39,70.24 R48.2 ; 28.27,72.79 28.27,74.16 27.74,74.69 v1(26.61,74.69)
  Top w1.016: BUT1.1 28.27,72.79
  In1.Cu w0.203: v1(9.47,76.72) 9.47,77.7 10.8,79.03 20.37,79.03 23.44,75.96 24.14,75.96 25.41,74.69 v1(26.61,74.69)
  In1.Cu w0.305: v6(31.11,42.38) 31.17,42.44 47.88,42.44 EXT2.4
  Bottom w0.127: 28.14,69.11 29.58,67.67 29.58,60.26 27.58,58.26 26.69,58.26 25.09,56.65 25.09,54.42 26.11,53.39 26.11,52.19 26.6,51.7 v1(26.87,51.7)
  Bottom w0.152: 48.24,42.38 48.34,42.47
  Bottom w0.305: 28.14,69.11 28.14,69.74
  Bottom w0.508: v1(27.94,70.88) 27.94,69.93 28.14,69.74
/GPI35: length 140.2
  Top w0.203: v6(2.56,71.26) 2.56,72.49 3.01,72.94 6.23,72.94 7.35,74.06 U6.7
  Top w0.508: U6.7 8.05,74.26 9.29,74.26 v1(9.47,74.43)
  In1.Cu w0.127: v1(27.12,72.53) 26.37,72.53 24.97,71.13 13.17,71.13 9.87,74.43 v1(9.47,74.43)
  In1.Cu w0.203: EXT2.3 47.89,45.04 37.71,45.04 36.95,44.28 30.44,44.28 29.37,45.35 v1(29.35,45.35)
  In2.Cu w0.127: v6(2.56,71.26) 0.46,69.16 0.46,20.64 1.41,19.69 v6(1.91,19.69) ; v1(29.35,45.35) 27.76,46.94 27.76,52.54 25.09,55.21 25.09,61.77 27.41,64.09 27.41,66.6 27.21,66.8 27.21,67.18 28.01,67.98 28.01,69.69 27.12,70.58 v1(27.12,72.53)
  Bottom w0.305: 48.34,45.01 47.84,45.01 47.63,44.81
  Bottom w0.508: v6(1.91,19.69) 5.53,19.69 7.17,18.05 BAT_SENS_E1.1
/GPI39: length 73.7
  Top w0.127: v1(29.56,68.54) 29.56,68.53 29.56,61.94 27.96,60.34 27.96,54.54 30.96,51.54 44.91,51.54 46.36,50.09 EXT2.1
  Top w0.152: EXT2.1 48.34,50.09
  Top w0.203: R4.2 6.06,67.24 6.42,67.59 v1(6.42,67.7)
  Top w0.61: U6.5 6.93,76.6
  Top w0.762: 6.93,76.6 v1(6.42,76.09)
  In1.Cu w0.152: 29.43,68.66 27.05,68.66 26.74,68.97 18.87,68.97 17.98,68.08 12.64,68.08 12.26,67.7 v1(6.42,67.7)
  In1.Cu w0.508: v1(29.56,68.54) 29.43,68.66
  Bottom w0.127: 7.11,75.39 7.11,68.4 v1(6.42,67.7)
  Bottom w0.61: v1(6.42,76.09) R9.1
  Bottom w0.762: 7.11,75.39 v1(6.42,76.09)
/GPIO0: length 95
  Top w0.127: D2.2 6.03,31.7 7.06,32.74 7.06,34.41 6.59,34.89 5.71,34.89 5.51,35.08 5.51,37.88 3.78,39.61 v1(3.75,39.61)
  Top w0.254: R44.1 27.88,65.67 27.12,65.67 v1(26.49,65.04)
  Top w0.406: v1(26.49,65.04) 26.35,65.17
  Top w0.508: 26.35,65.17 U6.25
  In1.Cu w0.127: v1(4.26,65.27) 4.99,66 12.06,66 12.64,65.42 15.06,65.42 16.28,66.64 20.57,66.64 22.52,64.69 24.76,64.69 25.11,65.04 v1(26.49,65.04)
  In1.Cu w0.203: EXT1.5 47.84,68.79 44.71,68.79 40.19,64.26 27.26,64.26 v1(26.49,65.04)
  Bottom w0.127: v1(4.26,65.27) 4.03,65.04 4.03,60.85 8.05,56.83 8.05,54.17 5.18,51.29 5.18,41.97 4.31,41.11 4.31,40.17 v1(3.75,39.61)
  Bottom w0.152: 25.09,66.81 24.71,66.43 24.71,65.29 24.96,65.04 v1(26.49,65.04)
  Bottom w0.508: U8.2 25.09,66.81
/GPIO1\U0TXD: length 111.5
  Top w0.152: v1(4.31,30.74) 4.31,31.94 5.02,32.65 6.49,32.65 6.76,32.92 6.76,34.25 6.53,34.48
  Top w0.203: v1(3.75,37.07) 3.75,36.38 5.64,34.49 6.52,34.49 6.53,34.48
  Top w0.305: 23.57,77.87 v1(23.57,77.86)
  Top w0.508: U6.35 25.05,77.86 v1(23.57,77.86)
  In1.Cu w0.203: v1(23.57,77.86) 21.74,79.69 5.42,79.69 3.88,78.15 v1(3.88,77.86)
  In2.Cu w0.127: 23.59,77.86 24.47,77.86 25.14,78.54 34.76,78.54 46.98,66.32 47.86,66.32 EXT1.6
  In2.Cu w0.305: v1(23.57,77.86) 23.59,77.86 23.66,77.94
  Bottom w0.127: 5.2,29.1 4.31,29.99 v1(4.31,30.74) ; v1(3.75,37.07) 3.75,37.99 4.9,39.13 4.9,41.26 5.48,41.85 5.48,51.17 8.36,54.05 8.36,56.95 4.37,60.94 4.37,63.87 4.87,64.37 4.87,65.57 4.39,66.05 4.39,69.61 5.23,70.45 5.23,72.91 4.82,73.32 4.82,75.2 3.71,76.3 3.71,77.7 v1(3.88,77.86)
  Bottom w0.508: D7.1 5.2,29.1
  Bottom w0.61: D7.1 6.1,29.1
